# Altium PCB Project_OLIA.PcbDoc (continued)
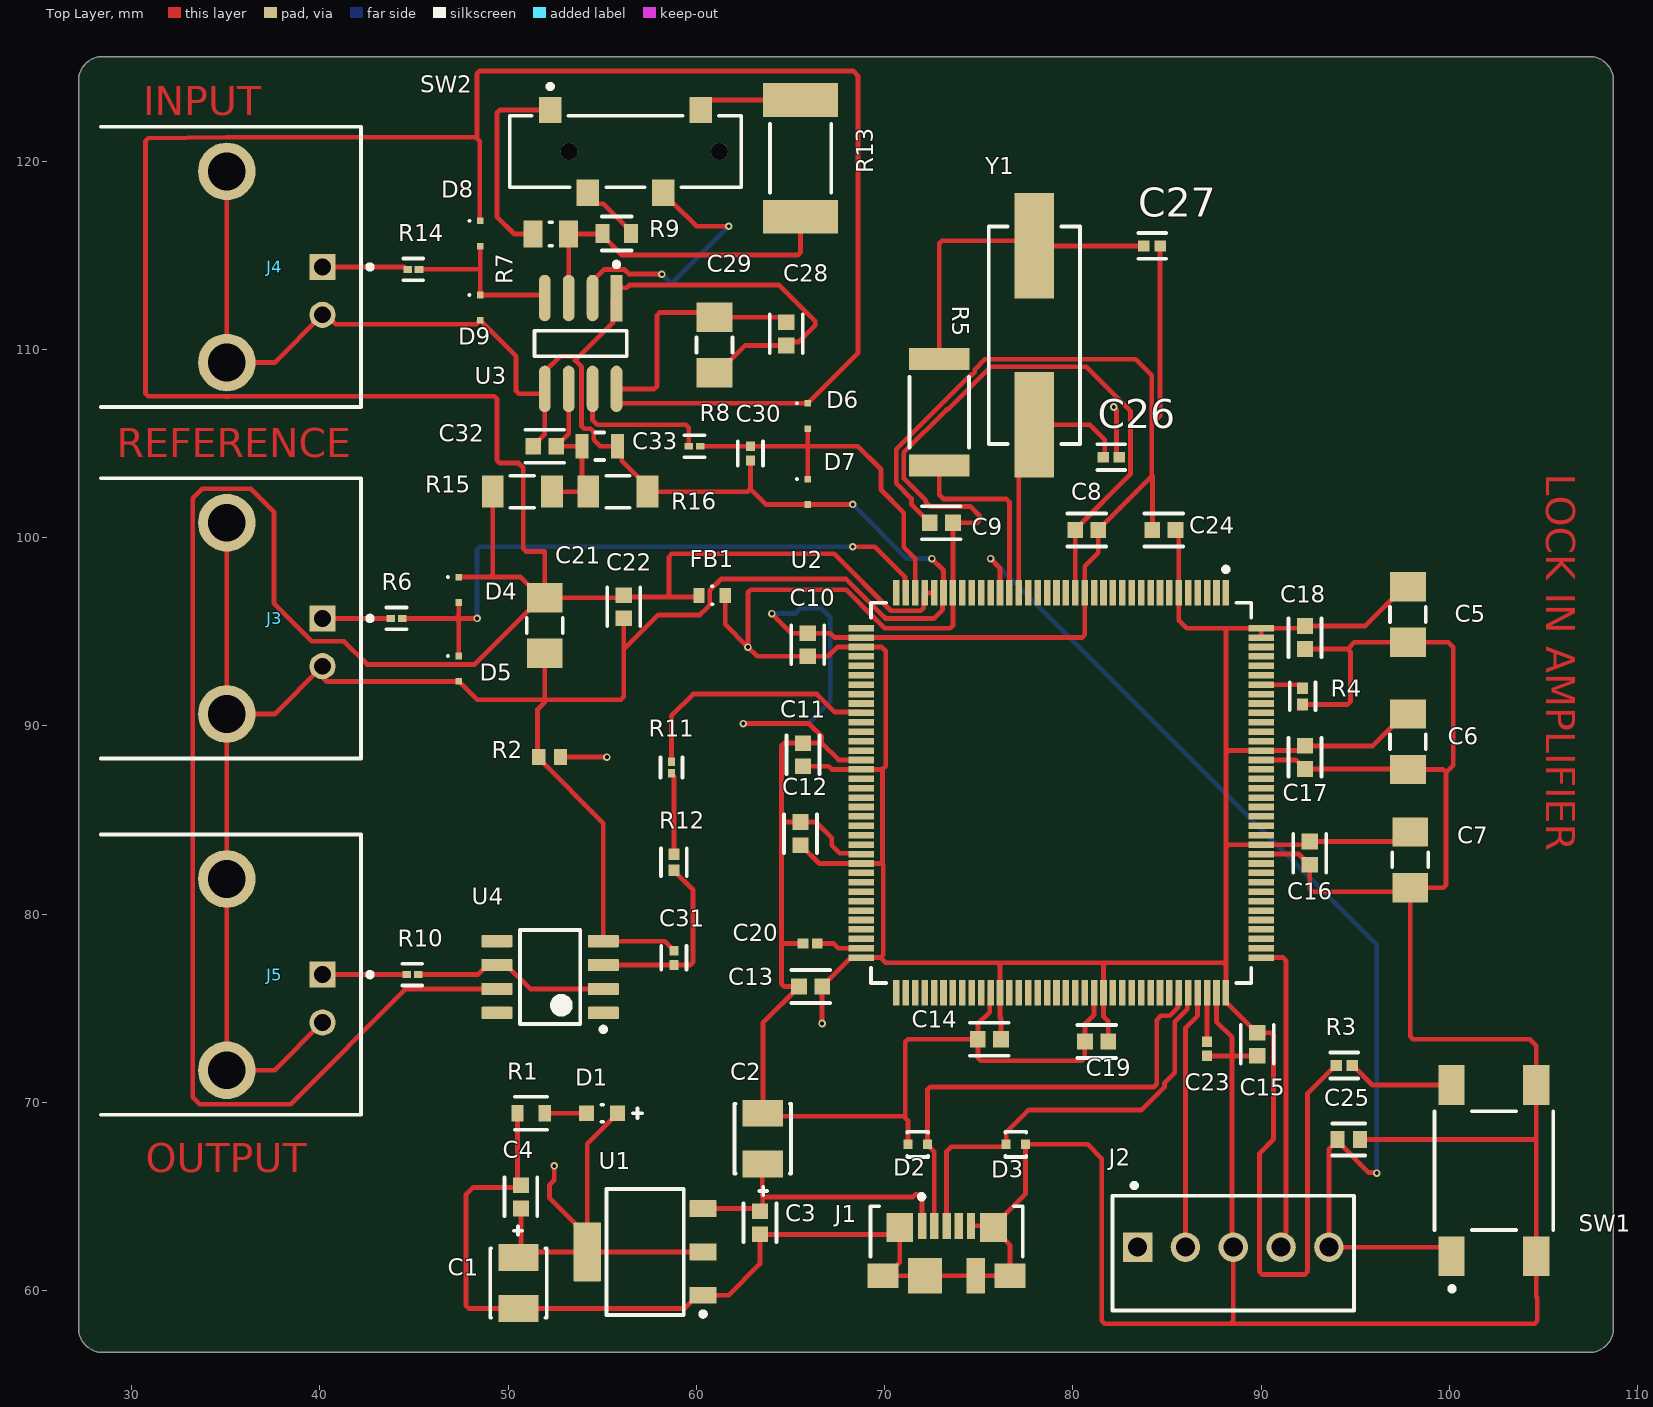
[diagram p0: Top Layer view]
## Footprints (in the part's own frame and the unit in brackets; to place one, negate y for a bottom-side part, rotate by r counter-clockwise, add the part's x,y. Pads: shape width x height; smd on the part's side, far side on the other; paste and mask are expansions set on the pad)
CAPC0603X33X15ML03T05 [mm] "Chip Capacitor, 2-Leads, Body 0.60x0.30mm, IPC Low Density"
  rect 0.56x0.52 smd: 1(-0.38,0) 2(0.38,0)
  body extent -0.31,-0.17 0.32,0.16, height 0.33
D0008A_M [mm] "SOIC, 8-Leads, Body 5x4mm, Pitch 1.27mm, IPC Low Density"
  rrect15% 1.65x0.65 smd: 1(-2.825,1.905) 2(-2.825,0.635) 3(-2.825,-0.635) 4(-2.825,-1.905) 5(2.825,-1.905) 6(2.825,-0.635) 7(2.825,0.635) 8(2.825,1.905)
  silkscreen extent -2.95,-2.5 1.6,2.9, body extent -3,-2.45 3,2.45, height 1.63
DCY0004A_L [mm] "SOT223, 4-Leads, Body 6.7x3.7mm, Pitch 2.3mm, IPC High Density"
  rrect11% 1.45x0.9 smd: 1(-3.075,2.3) 2(-3.075,0) 3(-3.075,-2.3)
  rrect7% 1.45x3.15 smd: 4(3.075,0)
  silkscreen extent -3.2,-3.35 2.05,3.42, body extent -3.5,-3.25 3.5,3.25, height 1.62
FP-1-1977223-9-MFG [mm]
  rect 1.4x2.1 smd paste+0 mask+0: 1(2.25,4.55) 2(2.25,-4.55) 3(-2.25,4.55) 4(-2.25,-4.55)
  silkscreen extent -3.15,-3.15 3.15,6.4, body extent -3.25,-5.7 3.25,5.7, height 0.25
FP-3-641215-5-MFG [mil]
  rect 61.65x61.65 hole 40 paste-99999 mask+0: 1(200,-12.5)
  round 61.65 hole 40 paste-99999 mask+0: 2(100,-12.5) 3(0,-12.5) 4(-100,-12.5) 5(-200,-12.5)
  silkscreen extent -253,-146 253,120, body extent -256,-124 256,124, height 10
FP-0603B104K500CT-IPC_C [mm]
  rect 0.832x0.86 smd paste+0 mask+0: 1(-0.614,0) 2(0.614,0)
  silkscreen extent -1.03,-0.88 1.03,0.88, body extent -1.13,-0.58 1.13,0.58, height 0.25
FP-73137-5003-MFG [mm]
  rect 1.39x1.39 hole 0.89 paste-2539.97 mask+0: 1(0,15.61)
  round 1.39 hole 0.89 paste-2539.97 mask+0: 2(2.54,15.61)
  round 3.06 hole 2.01 paste-2539.97 mask+0: 3(-5.08,10.53) 4(5.08,10.53)
  silkscreen extent -7.44,3.85 7.44,18.26, body extent -7.54,-17.75 7.54,17.75, height 0.25
FP-473460001-MFG [mm]
  rect 0.45x1.38 smd paste+0 mask+0: 1(-1.3,2.31) 2(-0.65,2.31) 3(0,2.31) 4(0.65,2.31) 5(1.3,2.31)
  rect 1.425x1.55 smd paste+0 mask+0: 6(-2.487,2.225) 7(2.488,2.225)
  rect 1.65x1.3 smd paste+0 mask+0: 8(-3.375,-0.35) 11(3.375,-0.35)
  rect 1.8x1.9 smd paste+0 mask+0: 9(-1.15,-0.35)
  rect 1x1.9 smd paste+0 mask+0: 10(1.55,-0.35)
  silkscreen extent -4.05,0.67 4.04,3.97, body extent -4.3,-2.48 4.3,3.45, height 0.25
FP-ABLS-MFG [mm]
  rect 5.6x2.1 smd paste+0 mask+0: 1(-4.75,0) 2(4.75,0)
  silkscreen extent -5.77,-2.42 5.78,2.42, body extent -7.65,-2.52 7.65,2.52, height 0.25
FP-AC2512-MFG [mm]
  rect 1.8x4 smd paste+0 mask+0: 1(-3.1,0) 2(3.1,0)
  silkscreen extent -1.83,-1.62 1.82,1.63, body extent -4.1,-2.1 4.1,2.1, height 0.25
FP-AP1608SGC-MFG [mm]
  rect 0.8x0.8 smd paste+0 mask+0: 1(-0.825,0) 2(0.825,0)
  silkscreen extent -2.13,-0.45 0.05,0.45, body extent -1.33,-0.55 1.33,0.55, height 0.25
FP-C0603C-CF-MFG [mm]
  rect 0.75x0.9 smd paste+0 mask+0: 1(-0.6,0) 2(0.6,0)
  silkscreen extent -0.87,-0.85 0.88,0.85, body extent -1.2,-0.6 1.2,0.6, height 0.25
FP-CL-SB-13B-02T-MFG [mm]
  rect 1.2x1.4 smd paste+0 mask+0: 1(-4,2.2) 2(-2,-2.2) 3(2,-2.2) 4(4,2.2)
  round 0.9 hole 0.9 unplated paste-2539.97 mask+0: ""(-3,0) ""(5,0)
  silkscreen extent -6.15,-1.9 6.15,3.57, body extent -6.25,-3 6.25,3, height 0.25
FP-CRCW0603-e3-MFG [mm]
  rect 0.75x1 smd paste+0 mask+0: 1(-0.75,0) 2(0.75,0)
  silkscreen extent -0.8,-0.9 0.8,0.9, body extent -1.22,-0.6 1.22,0.6, height 0.25
FP-CRCW0805-e3-IPC_B [mm]
  rect 1.007x1.408 smd paste+0 mask+0: 1(-0.951,0) 2(0.951,0)
  silkscreen extent -0.07,-0.62 0.07,0.62, body extent -1.7,-0.95 1.7,0.95, height 0.25
FP-CRCW2512-e3-IPC_C [mm]
  rect 1.155x3.208 smd paste+0 mask+0: 1(-2.826,0) 2(2.826,0)
  silkscreen extent -1.87,-1.58 1.87,1.58, body extent -3.5,-1.75 3.5,1.75, height 0.25
FP-D0008A-IPC_A [mm]
  rect 2.469x0.622 smd paste+0 mask+0: 1(-2.414,1.905)
  rrect100% 2.469x0.622 smd paste+0 mask+0: 2(-2.414,0.635) 3(-2.414,-0.635) 4(-2.414,-1.905) 5(2.414,-1.905) 6(2.414,-0.635) 7(2.414,0.635) 8(2.414,1.905)
  silkscreen extent -4.32,-2.45 0.68,2.45, body extent -4.15,-2.95 4.15,2.95, height 0.25
FP-ERA1A-IPC_B [mm]
  rect 0.454x0.363 smd paste+0 mask+0: 1(-0.304,0) 2(0.304,0)
  silkscreen extent -0.53,-0.58 0.53,0.58, body extent -0.68,-0.33 0.68,0.33, height 0.25
FP-EZAEG2N-MFG [mm]
  rect 0.475x0.5 smd: 1(-0.513,0) 2(0.513,0)
  silkscreen extent -0.55,-0.67 0.55,0.67, body extent -0.85,-0.38 0.85,0.38, height 0.25
FP-GCM31C-0_2-e0_3_0_8-IPC_A [mm]
  rect 1.555x1.906 smd paste+0 mask+0: 1(-1.476,0) 2(1.476,0)
  silkscreen extent -0.4,-0.95 0.4,0.95, body extent -2.75,-1.45 2.75,1.45, height 0.25
FP-GCM155-0_05-IPC_B [mm]
  rect 0.615x0.572 smd paste+0 mask+0: 1(-0.429,0) 2(0.429,0)
  silkscreen extent -0.74,-0.69 0.74,0.69, body extent -0.89,-0.44 0.89,0.44, height 0.25
FP-GCM155-0_05-IPC_C [mm]
  rect 0.515x0.472 smd paste+0 mask+0: 1(-0.379,0) 2(0.379,0)
  silkscreen extent -0.64,-0.67 0.64,0.67, body extent -0.74,-0.38 0.74,0.38, height 0.25
FP-GRM21B-0_2-e0_2_0_7-MFG [mm]
  rect 0.7x1.3 smd paste+0 mask+0: 1(-0.95,0) 2(0.95,0)
  silkscreen extent -0.22,-0.73 0.22,0.73, body extent -1.4,-0.82 1.4,0.82, height 0.25
FP-LQFP144-1A-MFG [mm]
  rect 1.35x0.35 smd paste+0 mask+0: 1(-10.625,8.75) 2(-10.625,8.25) 3(-10.625,7.75) 4(-10.625,7.25) 5(-10.625,6.75) 6(-10.625,6.25) 7(-10.625,5.75) 8(-10.625,5.25) 9(-10.625,4.75) 10(-10.625,4.25) 11(-10.625,3.75) 12(-10.625,3.25) 13(-10.625,2.75) 14(-10.625,2.25) 15(-10.625,1.75) 16(-10.625,1.25) 17(-10.625,0.75) 18(-10.625,0.25) 19(-10.625,-0.25) 20(-10.625,-0.75) 21(-10.625,-1.25) 22(-10.625,-1.75) 23(-10.625,-2.25) 24(-10.625,-2.75) 25(-10.625,-3.25) 26(-10.625,-3.75) 27(-10.625,-4.25) 28(-10.625,-4.75) 29(-10.625,-5.25) 30(-10.625,-5.75) 31(-10.625,-6.25) 32(-10.625,-6.75) 33(-10.625,-7.25) 34(-10.625,-7.75) 35(-10.625,-8.25) 36(-10.625,-8.75) 73(10.625,-8.75) 74(10.625,-8.25) 75(10.625,-7.75) 76(10.625,-7.25) 77(10.625,-6.75) 78(10.625,-6.25) 79(10.625,-5.75) 80(10.625,-5.25) 81(10.625,-4.75) 82(10.625,-4.25) 83(10.625,-3.75) 84(10.625,-3.25) 85(10.625,-2.75) 86(10.625,-2.25) 87(10.625,-1.75) 88(10.625,-1.25) 89(10.625,-0.75) 90(10.625,-0.25) 91(10.625,0.25) 92(10.625,0.75) 93(10.625,1.25) 94(10.625,1.75) 95(10.625,2.25) 96(10.625,2.75) 97(10.625,3.25) 98(10.625,3.75) 99(10.625,4.25) 100(10.625,4.75) 101(10.625,5.25) 102(10.625,5.75) 103(10.625,6.25) 104(10.625,6.75) 105(10.625,7.25) 106(10.625,7.75) 107(10.625,8.25) 108(10.625,8.75)
  rect 0.35x1.35 smd paste+0 mask+0: 37(-8.75,-10.625) 38(-8.25,-10.625) 39(-7.75,-10.625) 40(-7.25,-10.625) 41(-6.75,-10.625) 42(-6.25,-10.625) 43(-5.75,-10.625) 44(-5.25,-10.625) 45(-4.75,-10.625) 46(-4.25,-10.625) 47(-3.75,-10.625) 48(-3.25,-10.625) 49(-2.75,-10.625) 50(-2.25,-10.625) 51(-1.75,-10.625) 52(-1.25,-10.625) 53(-0.75,-10.625) 54(-0.25,-10.625) 55(0.25,-10.625) 56(0.75,-10.625) 57(1.25,-10.625) 58(1.75,-10.625) 59(2.25,-10.625) 60(2.75,-10.625) 61(3.25,-10.625) 62(3.75,-10.625) 63(4.25,-10.625) 64(4.75,-10.625) 65(5.25,-10.625) 66(5.75,-10.625) 67(6.25,-10.625) 68(6.75,-10.625) 69(7.25,-10.625) 70(7.75,-10.625) 71(8.25,-10.625) 72(8.75,-10.625) 109(8.75,10.625) 110(8.25,10.625) 111(7.75,10.625) 112(7.25,10.625) 113(6.75,10.625) 114(6.25,10.625) 115(5.75,10.625) 116(5.25,10.625) 117(4.75,10.625) 118(4.25,10.625) 119(3.75,10.625) 120(3.25,10.625) 121(2.75,10.625) 122(2.25,10.625) 123(1.75,10.625) 124(1.25,10.625) 125(0.75,10.625) 126(0.25,10.625) 127(-0.25,10.625) 128(-0.75,10.625) 129(-1.25,10.625) 130(-1.75,10.625) 131(-2.25,10.625) 132(-2.75,10.625) 133(-3.25,10.625) 134(-3.75,10.625) 135(-4.25,10.625) 136(-4.75,10.625) 137(-5.25,10.625) 138(-5.75,10.625) 139(-6.25,10.625) 140(-6.75,10.625) 141(-7.25,10.625) 142(-7.75,10.625) 143(-8.25,10.625) 144(-8.75,10.625)
  silkscreen extent -12,-10.1 10.1,10.1, body extent -11.4,-11.4 11.4,11.4, height 0.25
FP-MMZ1608-0_6-MFG [mm]
  rect 0.6x0.8 smd paste+0 mask+0: 1(-0.7,0) 2(0.7,0)
  silkscreen extent -0.02,-0.47 0.02,0.47, body extent -1.1,-0.58 1.1,0.58, height 0.25
FP-RC1005-IPC_B [mm]
  rect 0.615x0.572 smd paste+0 mask+0: 1(-0.429,0) 2(0.429,0)
  silkscreen extent -0.74,-0.69 0.74,0.69, body extent -0.89,-0.44 0.89,0.44, height 0.25
FP-RMCF0603-MFG [mm]
  rect 0.65x0.9 smd paste+0 mask+0: 1(-0.725,0) 2(0.725,0)
  silkscreen extent -0.85,-0.88 0.85,0.88, body extent -1.15,-0.58 1.15,0.58, height 0.25
FP-RP732B-MFG [mm]
  rect 1.15x1.7 smd paste+0 mask+0: 1(-1.575,0) 2(1.575,0)
  silkscreen extent -0.62,-0.85 0.62,0.85, body extent -2.25,-0.95 2.25,0.95, height 0.25
FP-T491B106K016AT-MFG [mm]
  rect 1.42x2.13 smd paste+0 mask+0: 1(-1.35,0) 2(1.35,0)
  silkscreen extent -1.85,-1.5 3,1.5, body extent -2.18,-1.62 2.18,1.62, height 0.25
INF-SC79_V [mm] "SC79, 2-Leads, Body 1.2x0.8 mm"
  rect 0.35x0.35 smd: 1(-0.672,0) 2(0.678,0)
  silkscreen extent -0.72,-0.62 -0.62,-0.52, body extent -0.6,-0.4 0.6,0.4, height 0.59
RESC1609X50X30LL10T20 [mm] "Chip Resistor, 2-Leads, Body 1.55x0.85mm, IPC High Density"
  rect 0.7x0.85 smd: 1(-0.575,0) 2(0.575,0)
  body extent -0.82,-0.48 0.82,0.48, height 0.5

## Part data
C1 C2: library part CMP-03017-000012-1, "CAP TANT 10UF 10% 16V 1411", Capacitance=10uF, Case Code (Imperial)=1411, Case Code (Metric)=3528, Dielectric Material=Tantalum, ESR (Equivalent Series Resistance)=2.8R, Leakage Current=1.6uA, Max Operating Temperature=125°C, Min Operating Temperature=-55°C, Package Quantity=1, Ripple Current=174mA, Tolerance=10%, Voltage=16V, Case/Package=1411, Depth=2.8mm, Dissipation Factor=6%, Features="General Purpose", Height=1.9mm, Height - Seated (Max)=0.083inch, Lead Free="Lead Free", Lead Pitch=1.9mm, Length=3.5mm, Life (Hours)=2000Hour, Mount="Surface Mount", Number of Pins=2, Packaging="Tape and Reel", Polarity=Polar, REACH SVHC="No SVHC", RoHS Compliant=Yes, Termination=SMD/SMT, Voltage Rating=16V, Voltage Rating (DC)=16V, Width=0.11inch
C3 C4 C8 C9 C10 C11 C12 C13 C14 C15 C16 C17 C18 C19 C22 C24 C28 C32: library part CMP-45632-000007-1, "CAP CER 0.1UF 50V X7R 0603", Capacitance=100nF, Case Code (Imperial)=0603, Case Code (Metric)=1608, Dielectric=X7R, Max Operating Temperature=125°C, Min Operating Temperature=-55°C, Tolerance=10%, Voltage Rating=50V, Case/Package=0603, Depth=0.8mm, Lead Free="Lead Free", Length=1.6mm, Packaging="Tape and Reel", Radiation Hardening=No, RoHS Compliant=Yes, Series=-, Voltage Rating (DC)=50V
C5 C6 C7 C21 C29: library part CMP-06035-005125-1, "Ceramic Capacitor for Automotive 4.7uF ±10% 50VDC X7S 1206 Embossed T/R", Capacitance=4.7uF, Case Code (Imperial)=1206, Case Code (Metric)=3216, Dielectric=X7S, Max Operating Temperature=125°C, Min Operating Temperature=-55°C, Package Quantity=2000, Ratings=AEC-Q200, Tolerance=10%, Voltage Rating=50V, Case/Package=1206, Depth=1.6mm, Height=1.6mm, Length=3.2mm, Mount="Surface Mount", Packaging="Tape and Reel", Termination=SMD/SMT, Thickness=0.071inch, Voltage Rating (DC)=50V, Width=1.6mm
C20 C23: library part CMP-2010-00434-1, Manufacturer="AVX Interconnect / Elco", Part Number=0201ZD225MAT2A
C25: library part CMP-2006-03061-2, "CAP CER 0.1UF 50V X7R 0603", Capacitance="0.10 μF", Manufacturer=KEMET, Manufacturer Part Number=C0603C104K5RACTU, Package=C0603C-CF, Temperature="-55°C to +125°C", Temperature Characteristic=X7R, Temperature Coefficient=30ppm/°C, Temperature Range High=+125°C, Temperature Range Low=-55°C, Tolerance=0.1, Voltage Rating="50 V", Automotive=Yes, Automotive Grade="Grade 1", Category=Cap, ComponentLink2Description=Datasheet, ComponentLink2URL=https://api.kemet.com/component-edge/download/datasheet/C0603C100J5GACAUTO.pdf, Device Class L1="Passive Components", Device Class L2=Capacitors, Device Class L3="Ceramic Capacitors", Digikey Description="CAP CER 0.1UF 50V X7R 0603", Height=0.87mm, Lead Free=Yes, Material=Ceramic, Octopart=https://octopart.com/c0603c104k5ractu-kemet-139244, RoHS=TRUE
C26 C27: library part CMP-06035-056816-1, "Ceramic Capacitor for Automotive 18pF ±5% 50VDC C0G 0402 Paper T/R", Case Code (Imperial)=0402, Case Code (Metric)=1005, Dielectric=C0G, Max Operating Temperature=125°C, Min Operating Temperature=-55°C, Package Quantity=10000, Ratings=AEC-Q200, Tolerance=5%, Voltage Rating=50V, Capacitance=18pF, Case/Package=0402, Depth=0.5mm, Height=0.5mm, Length=1mm, Mount="Surface Mount", Packaging="Tape and Reel", Termination=SMD/SMT, Thickness=0.022inch, Voltage Rating (DC)=50V, Weight=0.000212oz, Width=0.02inch
C30 C31: library part CMP-2008-03715-2, "Ceramic Capacitor for Automotive 10nF ±10% 25VDC X7R 0402 Paper T/R", Capacitance=10nF, Case Code (Imperial)=0402, Case Code (Metric)=1005, Dielectric=X7R, Max Operating Temperature=125°C, Min Operating Temperature=-55°C, Package Quantity=1, Ratings=AEC-Q200, Tolerance=10%, Voltage=25V, Case/Package=0402, Depth=0.5mm, Height=0.5mm, Lead Free="Lead Free", Length=1mm, Mount="Surface Mount", Packaging="Tape and Reel", Radiation Hardening=No, REACH SVHC="No SVHC", Termination=SMD/SMT, Thickness=0.022inch, Voltage Rating=25V, Voltage Rating (DC)=25V, Width=0.02inch
C33: library part CMP-06035-022504-1, "Chip Multilayer Ceramic Capacitors for General Purpose, 0805, 1.0uF, X7S, 22%, 10%, 100V", Capacitance=1uF, Dielectric=X7S, Tolerance=10%, Voltage Rating (DC)=100V, Length=2mm, Thickness=1.25mm, Width=1.25mm
D1: library part CMP-44529-000023-1, "Standard LEDs - SMD GREEN WATER CLEAR", Case/Package=0603, Color=Green, Forward Current=20mA, Forward Voltage=2.2V, Lens Color=Clear, Max Operating Temperature=85°C, Min Operating Temperature=-40°C, Package Quantity=2000, Illumination Color=Green, Lead Free="Lead Free", Lens Style=Clear, Luminous Intensity=15mcd, Mount="Surface Mount", Packaging="Tape and Reel", Viewing Angle=120°, Wavelength=568nm
D2 D3: library part CMP-00287-77741802-1, "EZA-EG2N50AX Esd Suppressor, 50V, 0402 Rohs Compliant: Yes", Capacitance=50fF, Case/Package=0402, Max Operating Temperature=125°C, Min Operating Temperature=-55°C, Reverse Standoff Voltage=30V, Direction=Bidirectional, Height=430µm, Lifecycle Status=Production, RoHS=Non-Compliant, Schedule B="8536300000, 8536300000"
D4 D5 D6 D7 D8 D9: library part CMP-1182-00001-1, "Silicon Schottky Diode, SC79, Reel, Green", Manufacturer=Infineon, ComponentLink1Description="Manufacturer URL", ComponentLink1URL=http://www.infineon.com/, ComponentLink2Description=Datasheet, ComponentLink2URL=http://www.infineon.com/dgdl/bat54series.pdf?folderId=db3a30431400ef68011425f1ca2505e3&fileId=db3a304314dca3890115190b74210ea6, ComponentLink3Description="Package Specification", ComponentLink3URL=http://www.infineon.com/dgdl/SC79-Package_Overview.pdf?folderId=db3a30431936bc4b011951fbddb03b15&fileId=db3a30431936bc4b01195226fe583b41, Green=TRUE, Halogen-free=FALSE, Mounting Technology="Surface Mount", PackageDescription="2-Pin Semiconductor Package, 0.8 x 1.2 mm Body", PackageReference=SC79, PartNumber=BAT54-02V, RevisionNote="Re-Activated Devices"
FB1: library part CMP-08257-000287-1, "Signal Line Ferrite Bead 600 Ω 100MHz 500mA DCR 400mΩ AEC-Q200 SMD 0603", Case Code (Imperial)=0603, Case Code (Metric)=1608, DC Resistance (DCR)=400mR, Max Current Rating=500mA, Max Operating Temperature=125°C, Min Operating Temperature=-55°C, Package Quantity=1, Ratings=AEC-Q200, Test Frequency=100MHz, Tolerance=25%, Case/Package=0603, Height=0.03inch, Impedance=600R, Length=0.063inch, Max DC Current=500mA, Mount="Surface Mount", Number of Lines=1, Packaging="Tape and Reel", RoHS Compliant=Yes, Termination=SMD/SMT, Weight=7.1E-05oz, Width=0.031inch
J1: library part CMP-2000-05246-2, "CONN RCPT USB2.0 MICRO B SMD R/A", Current Rating=1.8A, Manufacturer=Molex, Package=0, Temperature="-30°C to +85°C", Temperature Range High=+85°C, Temperature Range Low=-30°C, Voltage Rating=30V, Automotive=No, Category=Conn, ComponentLink2Description=Datasheet, ComponentLink2URL=https://www.molex.com/webdocs/datasheets/pdf/en-us/0473460001_IO_CONNECTORS.pdf, Conn Orientation="Right Angle", Contact Material=Gold,Nickel, Device Class L1=Connectors, Device Class L2="USB Connectors", Device Class L3=unset, Digikey Description="CONN RCPT USB2.0 MICRO B SMD R/A", Footprint Url=https://www.molex.com/pdm_docs/sd/473460001_sd.pdf, Height=2.945mm, Is Female=yes, Lead Free=Yes, Manufacturer Part Number=473460001, Number Of Contacts=5, Octopart=https://octopart.com/47346-0001-molex-7164928, Pitch=0.65mm, RoHS=TRUE, Shielding=true, Usb Standard="USB 2.0"
J2: library part CMP-03369-000062-1, "CONN HEADER VERT 5POS 2.54MM", Current Rating=5A, Manufacturer="TE Connectivity", Temperature="-55°C to +105°C", Temperature Range High=+105°C, Temperature Range Low=-55°C, Voltage Rating=250V, Automotive=No, Category=Conn, ComponentLink2Description=Datasheet, ComponentLink2URL=https://www.te.com/commerce/DocumentDelivery/DDEController?Action=showdoc&DocId=Specification+Or+Standard%7F108-1050%7FL%7Fpdf%7FEnglish%7FENG_SS_108-1050_L.pdf%7F3-641215-5, Conn Gender=Male, Conn Orientation=Vertical, Contact Material=Gold,Nickel, Device Class L1=Connectors, Device Class L2="Headers and Wire Housings", Device Class L3=unset, Digikey Description="CONN HEADER VERT 5POS 2.54MM", Footprint Url=https://www.te.com/commerce/DocumentDelivery/DDEController?Action=showdoc&DocId=Customer+Drawing%7F641215%7FZ4%7Fpdf%7FEnglish%7FENG_CD_641215_Z4.pdf%7F3-641215-5, Height=0.415inch, Lead Free=Yes, Manufacturer Part Number=3-641215-5, Mouser Description="Headers & Wire Housings FRICTION LCK HDR 5P Straight Post gold", Number Of Contacts=5, Number Of Rows=1, Octopart=https://octopart.com/3-641215-5-te+connectivity-40938285, Package=3-641215-5, Pitch=2.54mm, RoHS=TRUE
J3 J4 J5: library part CMP-00257-00776508-1, "73137-5003 Connector BNC Female 0Hz To 2GHz 50 Ohm Solder Right Angle Through Hole Gold Tray", Dielectric Material=Polypropylene, Frequency=2GHz, Manufacturer Lifecycle Status=ACTIVE, Max Operating Temperature=70°C, Min Operating Temperature=-20°C, Voltage Rating=500V, Body Material="PBT, Polybutylene", Body Plating=Nickel, Connector Type=PCB, Contact Material="Bronze, Gold, Nickel, Tin", Contact Plating=Gold, Country of Origin=US, Depth=14.76mm, Gender=Female, Halogen Free="Low Halogen", Height=13.2mm, Impedance=50Ω, Insulation Material=Polyester, Lead Free="Lead Free", Length=35.18mm, Lifecycle Status=Production, Mount="Through Hole", NexarPartId=776508, Number Of Contacts=1, Orientation="Right Angle, Straight", Plating=Nickel, Polarity=Normal, Radiation Hardening=No, REACH SVHC="No SVHC", RoHS=Compliant, Termination=Solder
R1: library part CMP-26527-000152-1, "1kΩ ±1% 0.1W 0603 Thick Film Chip Resistor AEC-Q200 compliant", Case Code (Imperial)=0603, Case Code (Metric)=1608, Max Operating Temperature=155°C, Max Power Dissipation=100mW, Min Operating Temperature=-55°C, Resistance=1kR, Resistor Type="Thick Film", Temperature Coefficient=100ppm/°C, Tolerance=1%, Case/Package=0603, Construction=Rectangular, Contact Plating=Tin, Depth=0.8mm, Features="Automotive AEC-Q200", Height=0.022inch, Lead Free="Lead Free", Length=1.55mm, Military Standard=Not, Mount="Surface Mount", Number of Terminations=2, Packaging="Tape and Reel", Power Rating=100mW, Radiation Hardening=No, RoHS Compliant=Yes, Series=RMCF, Size Code=0603, Width=0.031inch
R2: library part CMP-1012-00001-2, Manufacturer="Vishay Dale", Part Number=CRCW06030000Z0EC
R3 R4 R12: library part CMP-13261-004522-1, "Res Thick Film 0402 10kΩ 1% 0.063W ±100ppm/°C Molded SMD T/R", Case Code (Imperial)=0402, Case Code (Metric)=1005, Max Operating Temperature=155°C, Max Power Dissipation=63mW, Min Operating Temperature=-55°C, Package Quantity=1, Power Rating=62.5mW, Resistance=10kR, Temperature Coefficient=100ppm/°C, Tolerance=1%, Case/Package=0402, Composition="Thick Film", Contact Plating=Tin, Depth=0.5mm, Features="Moisture Resistant", Height=0.016inch, Length=1mm, Military Standard=Not, Mount="Surface Mount", Number of Terminations=2, Packaging="Tape and Reel", Radiation Hardening=No, Width=0.02inch
R5: library part CMP-02407-004547-1, "RES Thick Film, 33Ω, 5%, 1W, 200ppm/°C, 2512", Case Code (Imperial)=2512, Case Code (Metric)=6432, Max Operating Temperature=155°C, Max Power Dissipation=1W, Min Operating Temperature=-55°C, Package Quantity=2000, Resistance=33R, Temperature Coefficient=200ppm/°C, Tolerance=5%, Voltage Rating=500V, Case/Package=2512, Composition="Thick Film", Contact Plating=Tin, Depth=3.15mm, Features="Automotive AEC-Q200", Height=0.6mm, Lead Free="Lead Free", Length=6.3mm, Military Standard=Not, Mount="Surface Mount", Number of Terminations=2, Packaging="Tape and Reel", Power Rating=1W, Termination=SMD/SMT, Voltage Rating (DC)=500V, Weight=0.001429oz, Width=3.15mm
R6 R8 R10 R11 R14: library part CMP-05422-000095-1, "RES SMD 100 OHM 0.1% 1/20W 0201", Case Code (Imperial)=0201, Case Code (Metric)=0603, Max Operating Temperature=155°C, Max Power Dissipation=50mW, Min Operating Temperature=-55°C, Resistance=100R, Resistor Type="Thin Film", Temperature Coefficient=25ppm/°C, Tolerance=0.1%, Case/Package=0201, Features="Automotive AEC-Q200", Height=0.009inch, Lead Free="Lead Free", Length=0.024inch, Number of Terminations=2, Packaging="Tape and Reel", Width=0.012inch
R7: library part CMP-2001-04029-2, "RES Thick Film, 5.49kΩ, 1%, 0.125W, 100ppm/°C, 0805", Case Code (Imperial)=0805, Case Code (Metric)=2012, Max Operating Temperature=155°C, Max Power Dissipation=125mW, Min Operating Temperature=-55°C, Package Quantity=10, Resistance=5.49kR, Temperature Coefficient=100ppm/°C, Tolerance=1%, Voltage Rating=150V, Case/Package=0805, Composition="Thick Film", Contact Plating=Tin, Depth=1.25mm, Features="Automotive AEC-Q200", Height=0.45mm, Length=2mm, Military Standard=Not, Number of Terminations=2, Packaging="Tape and Reel", Power Rating=125mW, Radiation Hardening=No, Termination=SMD/SMT, Weight=0.000194oz, Width=0.049inch
R9: library part CMP-2000-03390-2, "RES Thick Film, 499Ω, 1%, 0.1W, 100ppm/°C, 0603", Case Code (Imperial)=0603, Case Code (Metric)=1608, Max Operating Temperature=155°C, Min Operating Temperature=-55°C, Package Quantity=5000, Power Rating=100mW, Resistance=499R, Temperature Coefficient=100ppm/°C, Tolerance=1%, Voltage Rating=75V, Case/Package=0603, Composition="Thick Film", Contact Plating=Tin, Depth=0.85mm, Height=0.45mm, Lead Free="Lead Free", Length=1.55mm, Military Standard=Not, Mount="Surface Mount", Number of Terminations=2, Packaging="Tape and Reel", Radiation Hardening=No, Termination=SMD/SMT, Voltage Rating (DC)=75V, Weight=7.1E-05oz, Width=0.85mm, Working Voltage=75V
R13: library part CMP-03412-029457-1, "RES SMD 49.9 OHM 1% 1W 2512", Manufacturer=Yageo, Manufacturer Part Number=AC2512FK-0749R9L, Package=AC2512, Power Rating=1W, Resistance=49.9Ω, Temperature="-55°C to +155°C", Temperature Range High=+155°C, Temperature Range Low=-55°C, Tolerance=0.01, Voltage Rating=200V, Automotive=Yes, Automotive Grade="Grade 0", Category=Res, ComponentLink2Description=Datasheet, ComponentLink2URL=http://www.yageo.com/documents/recent/PYu-AC_51_RoHS_L_6.pdf, Composition="Thick Film", Device Class L1="Passive Components", Device Class L2=Resistors, Device Class L3="Chip SMD Resistors", Digikey Description="RES SMD 49.9 OHM 1% 1W 2512", Footprint Url=http://www.yageo.com/exep/pages/download/literatures/PYu-R_Mount_10.pdf, Height=0.65mm, Ipc Land Pattern Name=RESC635310X55, Lead Free=Yes, Octopart=https://octopart.com/ac2512fk-0749r9l-yageo-71370116, RoHS=TRUE, Series=AC
R15 R16: library part CMP-03211-010976-1, "Res Thin Film 1206 1.0KΩ 0.1% 0.25W 15ppm/°C Molded SMD", Manufacturer="TE Connectivity", Manufacturer Part Number=RP73D2B1K0BTDF, Package=RP732B, Power Rating=0.25W, Resistance=1.0KΩ, Temperature="-55°C to 155°C", Temperature Coefficient=15ppm/°C, Temperature Range High=155°C, Temperature Range Low=-55°C, Tolerance=0.1%, Voltage Rating=200V, Automotive=No, Category=Res, ComponentLink2Description=Datasheet, ComponentLink2URL=https://www.te.com/commerce/DocumentDelivery/DDEController?Action=showdoc&DocId=Data+Sheet%7F1773272%7FL%7Fpdf%7FEnglish%7FENG_DS_1773272_L.pdf%7F8-1879255-6, Composition="Thin Film", Device Class L1="Passive Components", Device Class L2=Resistors, Device Class L3="Chip SMD Resistors", Height=0.65mm, Ipc Land Pattern Name=RESC305155X55, Lead Free=Yes, Octopart=https://octopart.com/rp73d2b1k0btdf-te+connectivity-22741139, octopart_url=https://octopart.com/rp73d2b1k0btdf-te+connectivity-22741139, Packaging="1000 Reel", RoHS=TRUE, Series=RP73
SW1: library part CMP-03407-000015-1, "SWITCH TACTILE SPST-NO 0.05A 24V", Actuator Color=Pink, Case/Package=SMD/SMT, Current Rating=50mA, Max Operating Temperature=105°C, Max Voltage Rating (DC)=24V, Min Operating Temperature=-40°C, Operating Force=2.55N, Package Quantity=750, Actuator Material=Nylon, Actuator Type=Standard, Contact Material="Stainless Steel", Contact Plating=Silver, Depth=10mm, Illumination Type=Non-Illuminated, Length=6mm, Max Current Rating=50mA, Mechanical Life=1000000Cycles, Mount="Surface Mount", Orientation=Straight, Packaging=Bulk, Radiation Hardening=No, RoHS Compliant=Yes, Series=FSMJSMA, Switch Function=Off-Mom, Switch Travel=0.25mm, Termination="Gull Wing", Throw Configuration=SPST, Voltage Rating (DC)=24V
SW2: library part CMP-08360-77011255-1, "CL-SB-13B-02T Switch Slide ON-ON-ON SP3T Top 200mA 12VDC 10000Cycles Gullwing T/R", Contact Current Rating=200mA, Contact Resistance=70mΩ, Max Operating Temperature=85°C, Min Operating Temperature=-40°C, Voltage Rating (DC)=12V, Actuator Length=2mm, Actuator Material="Nylon, Polyamide", Contact Material=Copper, Contact Plating=Gold, Contact Style=Non-Shorting, Current Rating=200mA, Electrical Life=10kcycles, Height=6.1mm, Lead Free="Lead Free", Life (Cycles)=10kcycles, Mount="Surface Mount", NexarPartId=77011255, Orientation=Vertical, Packaging="Tape & Reel (TR)", RoHS=Compliant, Switch Function=On-On-On, Switch Travel=2mm, Termination="Gull Wing", Throw Configuration=SP3T
U1: library part CMP-0062-01638-4, "800mA Low-Dropout Linear Regulator, 4-pin SOT-223, Pb-Free", Manufacturer="Texas Instruments", PackageTopMarking=XYTT*N05A, PowerWise=N, Code_IPC=SOT223-4, Code_JEDEC=TO-261-AA, ComponentLink1Description="Datasheet URL", ComponentLink1URL=http://www.ti.com/general/docs/lit/getliterature.tsp?genericPartNumber=LM1117-N&fileType=pdf, CompType="LDO IC", High-Reliability=Y, PackageDescription="Molded SOT-223, 6.50 x 3.56 x 1.6mm Body, 4 Lead, 2.3mm Pitch", PackageReference=DCY0004A, PartNumber=LM1117MP-3.3/NOPB, PinCount=4, RoHS=Y
U2: library part CMP-12105-000003-1, "IC MCU 32BIT 2MB FLASH 144LQFP", Ambient Temperature Range High=+85°C, Ambient Temperature Range Low=-40°C, Frequency=400MHz, Manufacturer=STMicroelectronics, Max Junction Temp=+125°C, Max Supply Voltage=3.6V, Min Supply Voltage=1.62V, Package=LQFP144-1A, Temperature="-40°C to +85°C", Automotive=No, Category=IC, ComponentLink2Description=Datasheet, ComponentLink2URL=https://www.st.com/resource/en/datasheet/stm32h743zi.pdf, Core Architecture="ARM Cortex-M7", Data Bus Width=32bits, Device Class L1="Integrated Circuits (ICs)", Device Class L2="Embedded Processors and Controllers", Device Class L3=Microcontrollers, Digikey Description="IC MCU 32BIT 2MB FLASH 144LQFP", Height=1.6mm, Interface=I2C,SPI,UART,USART,EBI/EMI,CAN,USB,LIN,IrDA,Other, Ipc Land Pattern Name=QFP50P2200X2200X160-144, Lead Free=Yes, Manufacturer Part Number=STM32H743ZIT6, Memory Size=2MBytes, Memory Type=FLASH, Mouser Description="MCU 32-Bit STM32 ARM Cortex M7 RISC 2MB Flash 1.8V/2.5V/3.3V 144-Pin LQFP Tray", Number Of A/D Converters=2, Number Of Adc Channels=36, Number Of Cores=1, Number Of I2C Channels=4, Number Of I/Os=114, Number Of Pwm Channels=2, Number Of Spi Channels=6, Number Of Timers/Counters=22, Number Of Uart Channels=4, Number Of Usb Channels=2, Octopart=https://octopart.com/stm32h743zit6-stmicroelectronics-76372529, Ram Size=1MBytes, RoHS=TRUE, Standoff Height=0.05mm, Temperature Range High=+85°C, Temperature Range Low=-40°C
U3: library part CMP-0944-00042-3, "IC INST AMP 1 CIRCUIT 8SOIC", Case/Package=D, Input Bias Current=65nA, Input Offset Voltage (Vos)=150uV, Input Resistance=100kR, Input Voltage Noise Density="18nV/sqrt Hz", Max Dual Supply Voltage=18V, Max Operating Temperature=125°C, Max Supply Voltage=36V, Min Dual Supply Voltage=1.35V, Min Operating Temperature=-40°C, Min Supply Voltage=2.7V, Nominal Supply Current=200uA, Output Current=16mA, Package Quantity=1, Power Supply Rejection Ratio (PSRR)=100dB, Voltage Gain=60dB, -3db Bandwidth=1MHz, Bandwidth=1MHz, Common Mode Rejection Ratio=84dB, Lead Free="Lead Free", Number of Amplifiers=1, Number of Channels=1, Number of Circuits=1, Number of Elements=1, Number of Pins=8, Operating Supply Current=200uA, Output Current per Channel=16mA, Packaging="Tape and Reel", Quiescent Current=200uA, Radiation Hardening=No, REACH SVHC="No SVHC", RoHS Compliant=Yes, Series=-, Slew Rate=1V/µs, Supply Current=200uA
U4: library part CMP-0271-00145-3, "High-Speed, Single-Supply, Rail-to-Rail Operational Amplifier MicroAmplifier(TM) Series, 2.7 to 5.5 V, -40 to 85 degC, 8-pin SOIC (D8), Green (RoHS & no Sb/Br)", Manufacturer="Texas Instruments", Total Supply Voltage(Max)(+5V is 5, +/-5V is 10)=5.5, Total Supply Voltage(Min)(+5V is 5, +/-5V is 10)=2.7, CMRR(Min)(dB)=66, Code_JEDEC=MS-012, ComponentLink1Description="Manufacturer URL", ComponentLink1URL=http://www.ti.com/, ComponentLink2Description=Datasheet, ComponentLink2URL=http://www.ti.com/general/docs/lit/getliterature.tsp?genericPartNumber=OPA350&fileType=pdf, ComponentLink3Description="Package Specification", ComponentLink3URL=http://www.ti.com/litv/pdf/msoi002j, DatasheetVersion=SBOS099C, Eco-Plan="Green (RoHS & no Sb/Br)", IIB(Max)(pA)=10, Iq per channel(Max)(mA)=8.5, Mounting Technology="Surface Mount", Number of Channels=1, Offset Drift(Typ)(uV/C)=4, PackageDescription="8-Pin Plastic Small Outline, Body 4.9 x 3.9 mm, Pitch 1.27 mm", PackageReference=D0008A, PackageVersion="4040047-3/M, 06/2011", PartNumber=OPA350UA, Slew Rate(Typ)(V/us)=22, Sub Family="Low Input Bias Current Amp (<=10pA), Low Offset Voltage Amplifier (<=500uV), Low Supply Voltage Amplifier (<=2.7V), Precision Amplifier", Vio (25C)(Max)(mV)=1, Vn at 1kHz(Typ)(nV/rtHz)=18
Y1: library part CMP-27762-009874-1, "CRYSTAL 8.0000MHZ 18PF SMD", Case/Package=SMD/SMT, ESR (Equivalent Series Resistance)=80R, Frequency=8MHz, Frequency Stability=50ppm, Frequency Tolerance=20ppm, Load Capacitance=18pF, Max Operating Temperature=70°C, Min Operating Temperature=-20°C, Operating Frequency="8 MHz", Package Quantity=1000, Accuracy=20ppm, Contact Plating=Tin, Depth=4.7mm, Height=0.165inch, Lead Free="Lead Free", Length=11.4mm, Mount="Surface Mount", Number of Pins=2, Packaging="Tape and Reel", Radiation Hardening=No, REACH SVHC="No SVHC", Series=ABLS, Series Resistance=80R, Termination=SMD/SMT, Tolerance=20ppm, Width=4.7mm

## Via types
v1: diameter 0.4, hole 0.2, Top Layer to Bottom Layer, 15 vias

## Nets (pads, with @x,y where several pads share a name; then routed paths per layer and width w, separated by ;. In a path a pad name is that pad's centre, name@x,y a point inside that pad or via, vN(x,y) a via of type N, cw(c..) or ccw(c..) an arc to the next point about the centre after c; other vN are vias at no path point)
+3V3: C1.2 C4.1 C5.1 C6.1 C7.1 C8.1 C9.1 C10.1 C11.1 C12.1 C13.1 C14.1 C15.1 C16.1 C17.1 C18.1 C19.1 C24.1 D1.1 FB1.1 J2.1 R3.2 U1.2 U1.4 U2.6 U2.17 U2.30 U2.39 U2.52 U2.62 U2.72 U2.84 U2.95 U2.108 U2.121 U2.131 U2.143 U2.144 | length 237.2
  Top Layer w0.254: C1.2 C1.2@50.673,61.875 ; C4.1 C1.2@50.673,61.875 ; v1(52.451,66.621) 52.451,65.87 52.197,65.616 52.197,64.904 54.202,62.899 54.202,67.801 D1.1 ; U1.2 U1.4 50.847,62.049 C1.2@50.673,61.875 ; FB1.1 61.533,95.388 v1(62.738,94.183) ; C12.1 65.546,83.66 66.523,82.683 U2.62 69.881,82.683 ; C11.1 67.022,87.851 67.19,87.683 U2.52 69.881,87.683 ; v1(66.675,74.185) C13.1 ; C13.1@66.675,76.16 68.15,77.635 68.702,77.635 U2.72 69.78,77.683 ; 69.539,95.635 67.946,97.228 62.887,97.228 62.738,97.079 v1(62.738,94.183) ; 69.54,95.635 69.766,95.409 69.992,95.183 73.476,95.183 73.625,95.332 U2.30 C9.1 74.904,100.784 75.053,100.933 75.053,101.143 74.546,101.65 72.413,101.65 72.184,101.879 72.184,101.973 71.017,103.14 71.017,104.524 73.289,106.796 73.355,106.796 75.627,109.068 80.71,109.068 83.055,106.722 83.055,103.356 80.125,100.426 U2.17 ; C14.1 76.179,74.455 76.125,74.508 U2.84 76.125,77.267 75.976,77.416 ; C19.1 81.872,74.294 81.625,74.542 U2.95 81.625,77.267 81.476,77.416 ; C24.1 85.625,100.403 U2.6 85.625,95.599 86.041,95.183 88.02,95.183 ; U2.143 U2.144 ; R3.2 93.959,71.955 92.456,70.452 92.456,60.993 92.307,60.845 90.065,60.845 89.916,60.993 89.916,67.292 90.655,68.031 90.655,73.542 90.506,73.69 89.775,73.69 88.206,75.26 88.173,75.26 88.125,75.308 U2.108 88.125,77.267 ; C6.1 97.614,90.624 95.921,88.93 C17.1 92.082,88.683 U2.131 88.274,88.683 88.125,88.534 ; C5.1 97.614,97.386 95.53,95.302 C18.1 92.21,95.183 U2.144 ; C7.1 97.415,83.85 C16.1 92.416,83.683 U2.121 88.274,83.683 88.125,83.534 ; v1(62.738,94.183) 63.228,93.693 C10.1 66.988,93.693 67.478,94.183 U2.39 69.847,94.183 70.058,93.972 70.058,87.86 69.881,87.683 ; 69.78,77.683 69.929,77.832 69.929,82.635 69.881,82.683 ; 69.78,77.683 70.047,77.416 75.976,77.416 ; 69.881,82.683 69.881,87.683 ; 75.976,77.416 81.476,77.416 ; 81.476,77.416 87.976,77.416 88.125,77.267 ; 88.02,95.183 88.125,95.078 88.125,88.534 ; 88.02,95.183 U2.144 ; 88.125,77.267 88.125,83.534 ; 88.125,83.534 88.125,88.534
+3V3A: C21.1 C22.1 C28.1 C29.1 D4.1 D6.1 D8.1 FB1.2 R15.1 U2.32 U2.33 U3.8 U4.7 | length 247.2
  Top Layer w0.254: 33.245,71.677 33.245,70.26 33.611,69.894 35.028,69.894 cw(c35.028,69.64) 35.03,69.894 ccw(c35.052,71.701) 35.074,69.894 cw(c35.076,69.64) 35.076,69.894 38.442,69.894 44.567,76.019 U4.7 ; 33.245,71.678 cw(c35.052,71.701) 33.245,71.723 ccw(c32.991,71.725) 33.245,71.725 33.245,78.598 33.245,81.861 cw(c35.052,81.861) 33.245,81.883 33.245,90.624 cw(c35.052,90.624) 33.245,90.646 33.245,100.76 ccw(c32.991,100.76) 33.245,100.762 cw(c35.052,100.784) 33.245,100.806 ccw(c32.991,100.808) 33.245,100.808 33.245,102.079 33.757,102.591 35.029,102.591 ; 35.03,102.591 cw(c35.052,100.784) 35.074,102.591 36.318,102.591 37.561,101.348 37.561,96.493 39.16,94.894 39.566,94.488 41.275,94.488 42.506,93.257 47.081,93.257 47.661,93.257 48.225,93.257 C21.1@51.767,96.799 ; D4.1 49.019,97.9 ; 48.338,121.26 35.082,121.26 ccw(c35.052,119.453) 35.009,121.259 35.007,121.259 30.883,121.213 30.808,121.138 30.734,121.064 30.734,120.959 30.734,107.655 30.808,107.581 30.883,107.506 34.764,107.506 cw(c34.764,107.252) 34.799,107.504 ccw(c35.052,109.293) 35.305,107.504 cw(c35.34,107.252) 35.34,107.506 49.254,107.506 49.329,107.432 49.403,107.357 49.403,104.108 49.552,103.959 50.546,103.959 50.8,103.705 50.8,99.409 50.949,99.26 51.943,99.26 C21.1 ; D8.1 48.487,116.871 48.487,121.064 48.412,121.138 48.338,121.213 48.338,124.638 48.487,124.787 68.326,124.787 68.58,124.533 68.58,109.801 D6.1 55.923,107.134 55.753,107.304 U3.8 57.763,107.896 57.912,108.045 57.912,111.811 58.061,111.96 60.706,111.96 C29.1 64.495,111.706 C28.1 ; R15.1 49.174,98.055 49.019,97.9 ; FB1.2@60.068,96.847 58.547,96.847 ; U2.32 U2.33 72.077,97.01 72.077,96.268 71.915,96.106 70.335,96.106 67.308,99.133 58.696,99.133 58.547,98.984 58.547,96.847 ; 49.019,97.9 50.666,97.9 C21.1@51.767,96.799 ; C21.1@51.767,96.799 C21.1 ; C21.1 56.001,96.799 C22.1 56.218,96.847 58.547,96.847
ADC_IN: C30.1 D6.2 D7.1 R8.2 U2.34 | length 20.1
  Top Layer w0.254: R8.2 C30.1 65.764,104.848 65.913,104.848 ; D7.1 65.913,104.848 ; D6.2 65.913,104.997 65.913,104.848 ; U2.34 71.625,98.882 71.017,99.49 71.017,101.322 69.804,102.535 69.804,103.624 68.58,104.848 65.913,104.848
AGND: C21.2 C22.2 C28.2 C29.2 C30.2 C31.2 C32.2 C33.2 D5.2 D7.2 D9.2 J3.2 J3.3 J3.4 J4.2 J4.3 J4.4 J5.2 J5.3 J5.4 R2.1 R16.2 U2.31 U3.1 U3.5 U4.4 | length 194.3
  Top Layer w0.254: J3.3 J3.4 ; J4.3 J4.4 37.592,109.293 J4.2 40.341,111.833 40.849,111.325 48.303,111.325 D9.2 50.419,109.631 50.419,107.791 50.568,107.642 51.773,107.642 51.943,107.812 51.943,105.475 51.329,104.862 C32.2 ; J5.2 37.592,71.701 J5.4 J5.3 J3.4 ; C21.2 51.943,91.386 ; U3.5 51.943,108.819 52.754,109.631 53.774,109.631 ; U3.1 55.753,113.082 55.937,113.266 56.296,113.266 56.441,113.411 64.389,113.411 66.316,111.484 66.316,111.274 65.432,110.39 64.957,110.39 C28.2 62.585,110.203 61.136,108.754 C29.2 ; U3.1@55.79,112.76 55.569,112.539 55.569,111.426 53.774,109.631 ; C22.2 56.134,94.053 ; C31.2 58.801,78.07 58.312,78.559 U4.4 55.053,84.832 51.622,88.263 R2.1 51.562,88.398 51.562,90.878 51.943,91.259 51.943,91.386 ; C30.2 62.865,102.584 ; v1(68.308,101.757) D7.2 63.692,101.757 62.865,102.584 ; v1(72.511,98.882) 73.125,98.268 U2.31 73.077,97.01 73.077,96.154 72.625,95.702 72.082,95.702 70.044,95.702 69.707,96.039 67.956,97.79 61.3,97.79 61.118,97.608 60.956,97.446 60.71,97.2 60.71,96.417 60.548,96.254 60.182,95.889 57.97,95.889 56.134,94.053 ; J3.4 37.592,90.624 J3.2 40.192,93.104 40.192,92.508 40.341,92.359 D5.2 48.344,91.386 51.943,91.386 ; 51.943,91.386 55.985,91.386 56.134,91.535 56.134,94.053 ; 53.774,109.631 53.551,109.407 53.895,109.063 53.895,106.729 53.895,105.924 54.044,105.775 54.379,105.775 54.541,105.613 54.541,105.189 54.882,104.848 C33.2 56.037,104.625 56.037,104.077 57.404,102.71 R16.2 62.716,102.435 62.865,102.584
  Bottom Layer w0.254: v1(68.308,101.757) 71.183,98.882 v1(72.511,98.882)
BNC_OUT: J5.1 R10.2 | length 4.5
  Top Layer w0.254: J5.1 R10.2
GND: C1.1 C2.1 C3.2 C4.2 C5.2 C6.2 C7.2 C8.2 C9.2 C10.2 C11.2 C12.2 C13.2 C14.2 C15.2 C16.2 C17.2 C18.2 C19.2 C20.2 C23.1 C24.2 C25.1 C26.2 C27.2 D2.2 D3.2 J1.5 J1.6 J1.7 J1.8 J1.9 J1.10 J1.11 J2.3 R1.1 R2.2 R4.2 SW1.3 SW1.4 U1.1 U2.16 U2.38 U2.51 U2.61 U2.83 U2.94 U2.107 U2.120 U2.130 | length 352.3
  Top Layer w0.254: R1.1 50.493,65.764 C4.2 50.567,65.478 48.133,65.478 47.752,65.097 47.752,59.197 47.901,59.048 C1.1 59.376,59.048 60.077,59.749 U1.1 61.708,59.749 63.373,61.414 C3.2 70.425,62.981 J1.6 70.799,61.491 J1.8@70.086,60.779 ; R2.2 v1(55.245,88.338) ; v1(62.484,90.116) 65.98,90.116 66.658,89.438 66.658,89.079 ; C2.1 63.53,69.422 63.538,69.422 63.702,69.258 71.094,69.258 ; C2.1@63.53,69.431 63.53,74.215 65.448,76.132 C13.2 64.665,76.146 64.516,76.295 64.516,78.432 ; v1(64.008,95.958) 65.045,94.921 C10.2 67.114,94.921 67.352,94.683 U2.38 80.476,94.683 80.625,94.832 U2.16 80.625,98.47 81.343,99.188 C8.2 81.343,100.417 84.189,103.262 84.189,108.623 83.34,109.472 75.327,109.472 74.779,108.924 74.779,108.791 74.617,108.629 74.55,108.629 70.613,104.691 70.613,102.879 71.421,102.071 71.421,101.774 72.398,100.798 C9.2 ; C20.2 64.516,78.432 ; U2.61 68.702,83.231 67.619,83.231 67.19,83.66 67.19,84.04 66.343,84.888 C12.2 64.516,84.888 ; U2.51 67.554,88.183 66.658,89.079 ; J1.8 J1.8@70.086,60.779 ; D2.2 71.242,69.012 71.094,69.161 71.094,69.258 ; J1.5 75.626,63.439 J1.7@75.742,63.323 ; U2.83 75.577,75.76 75.577,74.789 74.951,74.163 C14.2 ; U2.94 81.125,74.658 80.645,74.178 C19.2 80.625,73.205 80.625,72.358 80.476,72.209 75.1,72.209 74.951,72.358 C14.2 ; v1(82.169,106.934) 82.32,106.783 82.32,104.418 C26.2 ; C24.2 84.222,103.262 ; 84.222,106.052 84.63,106.459 C27.2 ; C23.1 88.456,72.464 ; U2.107 87.625,74.278 88.456,73.446 88.456,72.464 ; C15.2 C15.2 88.456,72.464 ; U2.120 92.009,83.183 92.569,82.623 C16.2 92.583,81.332 92.732,81.183 97.699,81.183 C7.2 ; U2.130 91.835,88.183 92.315,87.703 C17.2 97.759,87.703 C6.2 99.673,87.672 99.822,87.524 ; R4.2 94.593,91.132 94.742,91.281 94.742,93.926 94.593,94.074 ; C18.2 94.593,94.074 ; C25.1 104.485,68.018 104.612,68.145 SW1.4 104.612,73.007 104.267,73.352 98.066,73.352 97.917,73.501 C7.2 ; 104.612,68.018 SW1.3 104.612,59.67 104.67,59.612 104.67,58.388 104.521,58.239 88.37,58.239 ; 64.516,78.432 64.516,84.888 ; 64.516,84.888 64.516,88.93 64.665,89.079 C11.2 66.658,89.079 ; J1.8@70.086,60.779 J1.9 J1.10 J1.11 76.661,62.404 J1.7@75.742,63.323 ; 71.094,69.258 71.094,73.203 71.242,73.352 C14.2 ; J1.7@75.742,63.323 75.742,63.385 77.479,65.122 D3.2 80.776,67.764 81.534,67.006 81.534,58.388 81.683,58.239 88.37,58.239 ; 88.37,58.239 88.519,58.388 J2.3 88.456,62.365 88.456,72.464 ; 94.593,94.074 94.953,94.434 C5.2 99.949,94.434 100.203,94.18 100.203,87.905 99.822,87.524 ; C7.2 99.673,81.401 99.822,81.55 99.822,87.524
  Bottom Layer w0.254: v1(62.484,90.116) 65.931,90.116 67.114,91.299 67.114,95.773 66.635,96.251 65.53,96.251 65.237,95.958 v1(64.008,95.958)
LED: D1.2 R1.2 | length 2.2
  Top Layer w0.254: R1.2 D1.2
NetC27_1: C27.1 R5.1 Y1.2 | length 17.2
  Top Layer w0.254: R5.1 72.898,115.621 73.047,115.77 77.678,115.77 Y1.2 C27.1
NetC31_1: C31.1 R12.2 U4.3 | length 10.1
  Top Layer w0.254: U4.3 55.054,77.29 58.8,77.29 C31.1 59.668,77.291 59.817,77.44 59.817,81.284 58.801,82.3 R12.2
NetD8_2: D8.2 D9.1 R14.2 U3.4 | length 9.3
  Top Layer w0.254: R14.2 48.514,114.246 ; D8.2 48.514,114.246 ; U3.4 51.78,112.886 D9.1 48.514,114.246
NetR3_1: R3.1 SW1.2 | length 5.7
  Top Layer w0.254: R3.1 94.859,71.955 95.897,70.917 SW1.2
NetR4_1: R4.1 U2.138 | length 2.3
  Top Layer w0.254: U2.138 92.03,92.183 92.202,92.011 R4.1
NetR7_1: R7.1 SW2.1 | length 10.7
  Top Layer w0.254: R7.1 50.319,116.124 49.403,117.04 49.403,122.561 49.552,122.71 SW2.1
NetR7_2: R7.2 R9.2 R13.2 U3.3 | length 18.2
  Top Layer w0.254: U3.3 R7.2 54.988,116.124 R9.2 55.015,116.026 56.033,115.008 65.383,115.008 65.532,115.157 R13.2
NetR8_1: R8.1 U3.7 | length 7.9
  Top Layer w0.254: U3.7 54.483,106.242 54.734,105.991 59.441,105.991 59.589,105.842 R8.1
NetR9_1: R9.1 SW2.2 | length 3.3
  Top Layer w0.254: SW2.2 54.229,118.21 54.702,117.737 55.054,117.737 56.515,116.276 R9.1
NetR10_1: R10.1 U4.2 U4.6 | length 10.6
  Top Layer w0.254: R10.1 48.395,76.781 48.903,77.289 U4.6 49.903,77.289 51.173,76.019 U4.2
NetR11_2: R11.2 R12.1 | length 4.3
  Top Layer w0.254: R11.2 58.674,87.43 58.801,87.303 R12.1
NetR13_1: R13.1 SW2.4 | length 5.6
  Top Layer w0.254: SW2.4 60.229,122.767 60.702,123.24 R13.1
NetSW2_3: SW2.3 U3.2 | length 14.2
  Top Layer w0.254: U3.2 54.483,113.647 55.071,114.235 56.179,114.235 56.422,113.992 v1(58.166,113.992) ; SW2.3 58.229,118.21 58.702,117.737 58.802,117.737 60.007,116.532 v1(61.722,116.532)
  Bottom Layer w0.254: v1(58.166,113.992) 58.569,113.589 58.779,113.589 v1(61.722,116.532)
NRST: C25.2 J2.5 SW1.1 U2.25 | length 58.6
  Top Layer w0.254: v1(75.625,98.882) 76.125,98.382 U2.25 ; C25.2 C25.2@94.05,67.943 ; v1(96.139,66.24) 96.111,66.268 95.725,66.268 C25.2@94.05,67.943 ; SW1.1 99.626,62.303 J2.5 93.599,67.492 C25.2@94.05,67.943
  Bottom Layer w0.254: v1(75.625,98.882) 96.139,78.368 v1(96.139,66.24)
OSC_IN: C26.1 U2.23 Y1.1 | length 14.3
  Top Layer w0.254: U2.23 77.125,103.318 77.119,103.324 77.089,103.324 77.957,104.192 Y1.1 80.905,105.991 81.693,105.204 C26.1@81.693,104.267
OSC_OUT: R5.2 U2.24 | length 10.3
  Top Layer w0.254: R5.2 72.898,102.281 73.125,102.054 76.454,102.054 76.625,101.883 U2.24
PWM: R11.1 U2.46 | length 13.4
  Top Layer w0.254: R11.1 58.674,90.534 59.823,91.683 66.4,91.683 67.352,90.731 68.702,90.731 U2.46
REF_BIAS: C32.1 C33.1 R15.2 R16.1 U3.6 | length 9.1
  Top Layer w0.254: R15.2 R16.1 53.914,102.775 C33.1 C32.1 ; C32.1@52.557,104.862 53.213,105.518 U3.6
REF_IN: D4.2 D5.1 R6.2 U2.35 | length 34.7
  Top Layer w0.254: R6.2 47.222,95.704 ; D5.1 47.371,95.555 47.222,95.704 ; D4.2 47.371,95.853 47.222,95.704 ; v1(48.344,95.704) 47.222,95.704 ; 68.58,99.514 69.469,99.514 71.077,97.906 71.077,97.106 U2.35
  Bottom Layer w0.254: v1(48.344,95.704) 48.344,99.365 48.493,99.514 v1(68.308,99.514)
REF_IN_RAW: J3.1 R6.1 | length 3.6
  Top Layer w0.254: J3.1 R6.1
SIG_IN_RAW: J4.1 R14.1 | length 4.6
  Top Layer w0.254: J4.1 44.481,114.373 44.608,114.246 R14.1
SWCLK: J2.4 U2.109 | length 16.7
  Top Layer w0.254: U2.109 91.164,77.683 91.313,77.534 91.313,63.108 91.31,63.105 91.31,62.554 J2.4
SWDIO: J2.2 U2.105 | length 13.8
  Top Layer w0.254: J2.2 85.979,73.944 86.625,74.59 U2.105
USB_DM: D2.1 J1.2 U2.103 | length 25.3
  Top Layer w0.254: D2.1@72.268,67.751 72.636,67.383 J1.2 ; D2.1 72.268,70.663 72.416,70.812 84.306,70.812 84.455,70.961 84.455,74.368 84.677,74.59 85.149,74.59 85.415,74.856 85.577,75.018 85.577,75.76 U2.103
USB_DP: D3.1 J1.3 U2.104 | length 22.8
  Top Layer w0.254: J1.3 73.286,67.39 73.533,67.637 76.327,67.637 76.331,67.641 76.343,67.641 76.454,67.751 76.454,68.395 77.653,69.594 83.66,69.594 84.859,70.793 84.859,71.018 85.415,71.574 85.415,74.285 86.077,74.947 86.077,75.26 86.125,75.308 U2.104
VACP2: C23.2 U2.106 | length 2.6
  Top Layer w0.254: C23.2 U2.106
VBUS: C2.2 C3.1 J1.1 U1.3 | length 15.8
  Top Layer w0.254: U1.3 63.232,64.349 C3.1 63.522,64.357 63.522,64.97 ; C2.2@63.5,66.722 63.5,64.992 63.522,64.97 ; J1.1 71.986,64.947 71.837,65.096 71.627,65.096 71.501,64.97 63.522,64.97
VCAP1: C20.1 U2.71 | length 2.4
  Top Layer w0.254: C20.1 67.287,78.432 67.536,78.183 U2.71
pads on no net: J1.4 SW2. U2.1 U2.2 U2.3 U2.4 U2.5 U2.7 U2.8 U2.9 U2.10 U2.11 U2.12 U2.13 U2.14 U2.15 U2.18 U2.19 U2.20 U2.21 U2.22 U2.26 U2.27 U2.28 U2.29 U2.36 U2.37 U2.40 U2.41 U2.42 U2.43 U2.44 U2.45 U2.47 U2.48 U2.49 U2.50 U2.53 U2.54 U2.55 U2.56 U2.57 U2.58 U2.59 U2.60 U2.63 U2.64 U2.65 U2.66 U2.67 U2.68 U2.69 U2.70 U2.73 U2.74 U2.75 U2.76 U2.77 U2.78 U2.79 U2.80 U2.81 U2.82 U2.85 U2.86 U2.87 U2.88 U2.89 U2.90 U2.91 U2.92 U2.93 U2.96 U2.97 U2.98 U2.99 U2.100 U2.101 U2.102 U2.110 U2.111 U2.112 U2.113 U2.114 U2.115 U2.116 U2.117 U2.118 U2.119 U2.122 U2.123 U2.124 U2.125 U2.126 U2.127 U2.128 U2.129 U2.132 U2.133 U2.134 U2.135 U2.136 U2.137 U2.139 U2.140 U2.141 U2.142 U4.1 U4.5 U4.8

## Polygon pours and split planes (outlines as drawn)
GND on Layer 1 (split plane): 107.561,125.031 107.677,125.003 107.788,124.958 107.89,124.895 107.981,124.818 108.058,124.727 108.121,124.625 108.167,124.514 108.194,124.398 108.203,124.292 108.202,124.279 108.202,57.985 108.203,57.972 108.194,57.866 108.167,57.75 108.121,57.639 108.058,57.537 107.981,57.446 107.89,57.369 107.788,57.306 107.677,57.26 107.561,57.233 107.455,57.224 107.442,57.225 28.448,57.225 28.435,57.224 28.329,57.233 28.213,57.26 28.102,57.306 28,57.369 27.909,57.446 27.832,57.537 27.769,57.639 27.723,57.75 27.696,57.866 27.687,57.972 27.688,57.985 27.688,124.279 27.687,124.292 27.696,124.398 27.723,124.514 27.769,124.625 27.832,124.727 27.909,124.818 28,124.895 28.102,124.958 28.213,125.003 28.329,125.031 28.435,125.04 28.448,125.039 107.442,125.039 107.455,125.04
+3V3 on Layer 2 (split plane): 107.561,125.031 107.677,125.003 107.788,124.958 107.89,124.895 107.981,124.818 108.058,124.727 108.121,124.625 108.167,124.514 108.194,124.398 108.203,124.292 108.202,124.279 108.202,57.985 108.203,57.972 108.194,57.866 108.167,57.75 108.121,57.639 108.058,57.537 107.981,57.446 107.89,57.369 107.788,57.306 107.677,57.26 107.561,57.233 107.455,57.224 107.442,57.225 28.448,57.225 28.435,57.224 28.329,57.233 28.213,57.26 28.102,57.306 28,57.369 27.909,57.446 27.832,57.537 27.769,57.639 27.723,57.75 27.696,57.866 27.687,57.972 27.688,57.985 27.688,124.279 27.687,124.292 27.696,124.398 27.723,124.514 27.769,124.625 27.832,124.727 27.909,124.818 28,124.895 28.102,124.958 28.213,125.003 28.329,125.031 28.435,125.04 28.448,125.039 107.442,125.039 107.455,125.04

## Other copper
Top Layer:
  text "INPUT" at 30.607,122.428 h1.52
  text "REFERENCE" at 29.21,104.267 h1.52
  text "LOCK IN AMPLIFIER" at 105.156,103.378 h1.52 r270
  text "OUTPUT" at 30.734,66.294 h1.52

## Silkscreen, mask and mechanical layers (free items; w line width, h text height)
Mechanical 1:
  lines w0.2: 27.178,57.985 ccw(c28.448,57.985) 28.448,56.715 29.718,56.715 107.442,56.715 ccw(c107.442,57.985) 108.712,57.985 108.712,124.279 ccw(c107.442,124.279) 107.442,125.549 29.718,125.549 28.448,125.549 ccw(c28.448,124.279) 27.178,124.279 27.178,57.985